# KiCad board EOutside.kicad_pcb (continued)
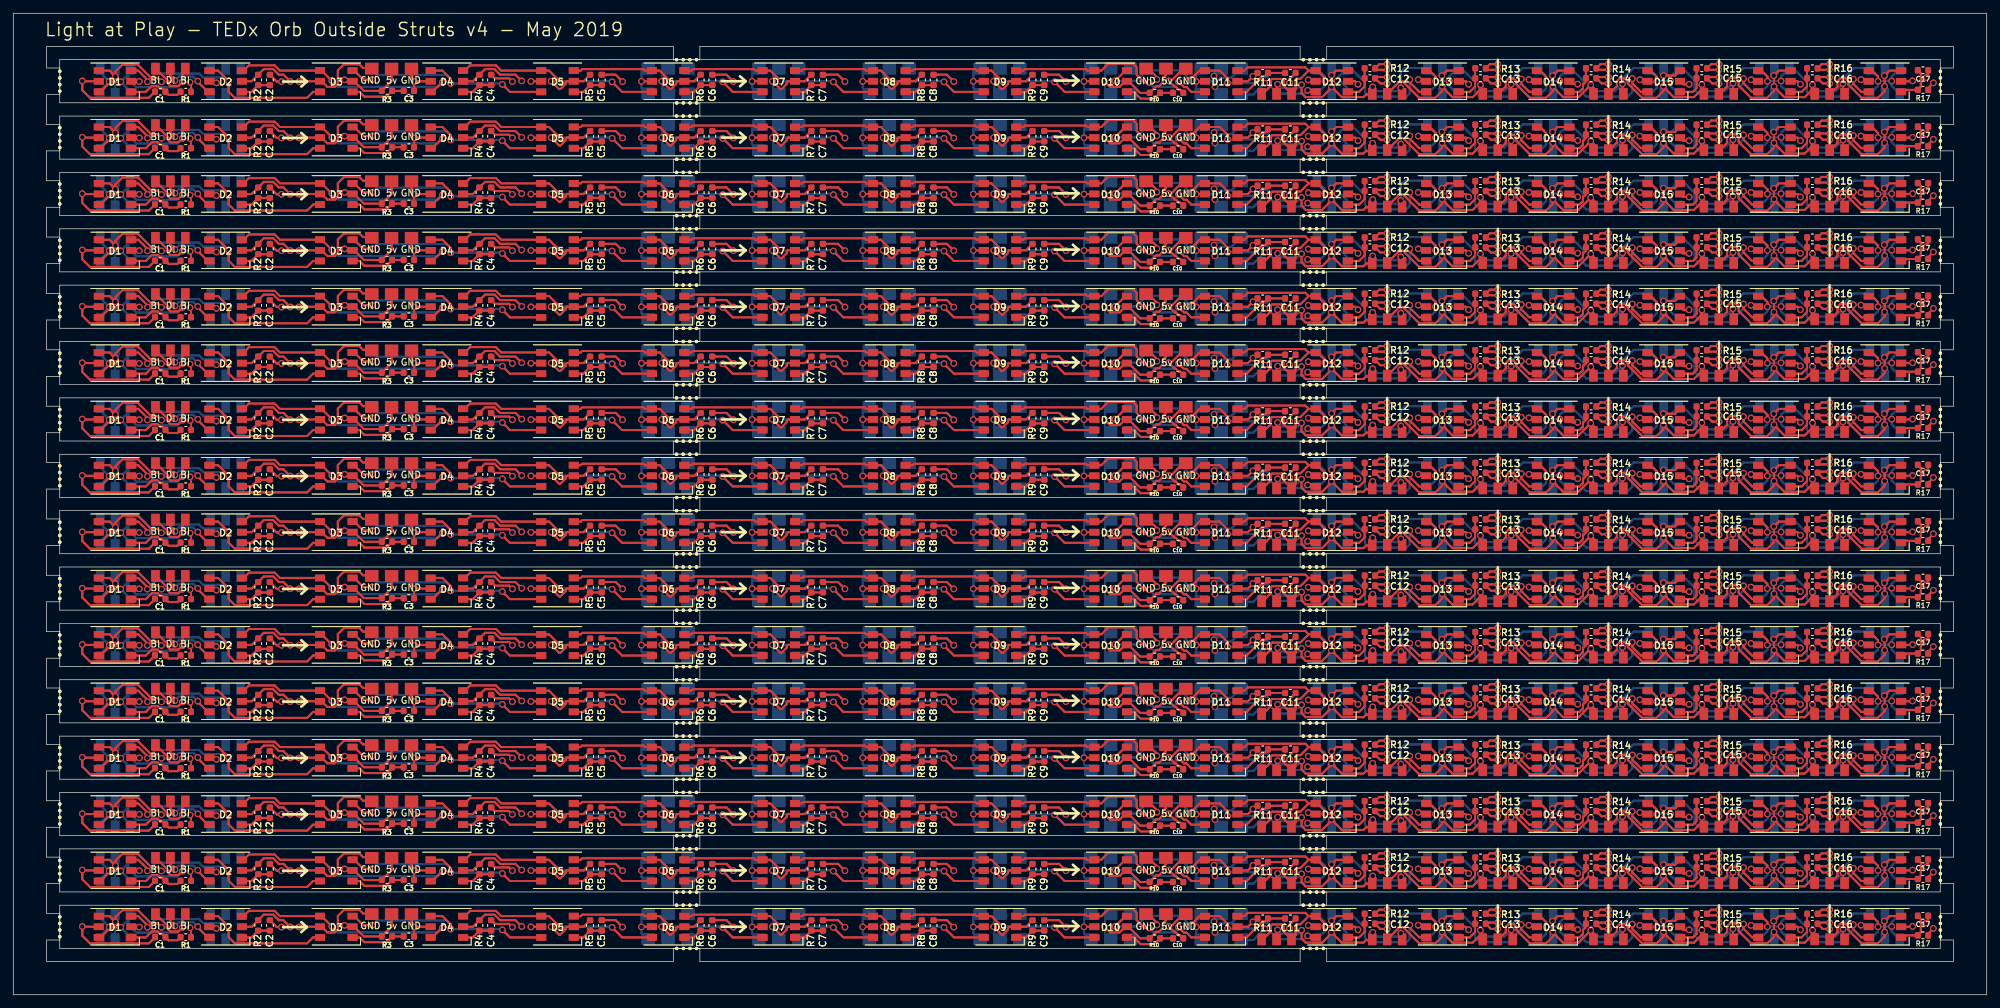
[diagram p0: board, top side]
## Routing (per net, layer and track width the routed paths; a pad name or vN(x,y) marks a point on that pad's centre or on a via; arc(x,y) is an arc through that point) (continued)
Net-(D15-Pad3): length 2295.4
  Top w0.3: 264.29,138.46 263.39,139.35 ; 264.29,138.46 v1(264.29,137.75) 264.29,138.46 ; 264.29,138.46 263.39,139.35 ; 263.39,139.35 D16.4 263.39,139.35 ; 264.29,129.96 263.39,130.85 ; 264.29,129.96 v1(264.29,129.25) 264.29,129.96 ; 264.29,129.96 263.39,130.85 ; 263.39,130.85 D16#2.4 263.39,130.85 ; 250.38,130.12 D15#2.3 250.38,130.12 ; 250.38,130.12 249.33,130.12 ; 250.38,130.12 249.33,130.12 ; v1(248.62,128.47) 248.62,130.11 ; v1(248.62,128.47) 248.62,127.77 ; v1(248.62,128.47) 248.62,130.11 ; v1(248.62,128.47) 248.62,127.77 ; 248.62,130.11 v1(248.62,130.12) ; 248.62,130.11 v1(248.62,130.12) ; 249.33,130.12 v1(248.62,130.12) ; 249.33,130.12 v1(248.62,130.12) ; 250.17,126.85 253.22,126.85 ; 250.17,126.85 248.6,128.42 250.17,126.85 ; 250.17,126.85 253.22,126.85 ; 253.22,126.85 254.41,128.04 ; 253.22,126.85 254.41,128.04 ; 254.41,128.04 v1(254.41,128.75) 254.41,128.04 ; 242.04,129.68 242.79,129.68 ; 242.04,129.68 241.62,129.26 ; 242.04,129.68 242.79,129.68 ; 242.04,129.68 241.62,129.26 ; 242.79,129.68 243.25,129.21 ; 242.79,129.68 243.25,129.21 ; 248.62,127.77 247.6,126.75 ; 248.62,127.77 247.6,126.75 ; 243.25,129.21 243.25,128.92 ; 243.25,129.21 243.25,128.92 ; 243.25,128.92 245.43,126.75 ; 243.25,128.92 245.43,126.75 ; 241.62,128.54 241.62,129.26 ; 241.62,128.54 240.33,127.25 241.62,128.54 ; 241.62,128.54 241.62,129.26 ; 245.43,126.75 247.6,126.75 ; 245.43,126.75 247.6,126.75 ; 259.1,127.4 259.25,127.25 259.1,127.4 ; 259.1,127.4 259.1,128.24 ; 259.1,127.4 259.1,128.24 ; 259.1,128.24 v1(259.1,128.95) 259.1,128.24 ; 278.44,127.65 279.55,127.65 278.44,127.65 ; 278.44,127.65 277.23,128.85 ; 278.44,127.65 277.23,128.85 ; 277.23,128.85 v1(277.23,129.56) 277.23,128.85 ; 264.29,121.46 263.39,122.35 ; 264.29,121.46 v1(264.29,120.75) 264.29,121.46 ; 264.29,121.46 263.39,122.35 ; 263.39,122.35 D16#3.4 263.39,122.35 ; 250.38,121.62 D15#3.3 250.38,121.62 ; 250.38,121.62 249.33,121.62 ; 250.38,121.62 249.33,121.62 ; v1(248.62,119.97) 248.62,121.61 ; v1(248.62,119.97) 248.62,119.27 ; v1(248.62,119.97) 248.62,121.61 ; v1(248.62,119.97) 248.62,119.27 ; 248.62,121.61 v1(248.62,121.62) ; 248.62,121.61 v1(248.62,121.62) ; 249.33,121.62 v1(248.62,121.62) ; 249.33,121.62 v1(248.62,121.62) ; 250.17,118.35 253.22,118.35 ; 250.17,118.35 248.6,119.92 250.17,118.35 ; 250.17,118.35 253.22,118.35 ; 253.22,118.35 254.41,119.54 ; 253.22,118.35 254.41,119.54 ; 254.41,119.54 v1(254.41,120.25) 254.41,119.54 ; 242.04,121.18 242.79,121.18 ; 242.04,121.18 241.62,120.76 ; 242.04,121.18 242.79,121.18 ; 242.04,121.18 241.62,120.76 ; 242.79,121.18 243.25,120.71 ; 242.79,121.18 243.25,120.71 ; 248.62,119.27 247.6,118.25 ; 248.62,119.27 247.6,118.25 ; 243.25,120.71 243.25,120.42 ; 243.25,120.71 243.25,120.42 ; 243.25,120.42 245.43,118.25 ; 243.25,120.42 245.43,118.25 ; 241.62,120.04 241.62,120.76 ; 241.62,120.04 240.33,118.75 241.62,120.04 ; 241.62,120.04 241.62,120.76 ; 245.43,118.25 247.6,118.25 ; 245.43,118.25 247.6,118.25 ; 259.1,118.9 259.25,118.75 259.1,118.9 ; 259.1,118.9 259.1,119.74 ; 259.1,118.9 259.1,119.74 ; 259.1,119.74 v1(259.1,120.45) 259.1,119.74 ; 278.44,119.15 279.55,119.15 278.44,119.15 ; 278.44,119.15 277.23,120.35 ; 278.44,119.15 277.23,120.35 ; 277.23,120.35 v1(277.23,121.06) 277.23,120.35 ; 277.23,111.85 v1(277.23,112.56) 277.23,111.85 ; 277.23,111.85 278.44,110.65 ; 277.23,111.85 278.44,110.65 ; 278.44,110.65 279.55,110.65 278.44,110.65 ; 249.33,113.12 v1(248.62,113.12) ; 249.33,113.12 250.38,113.12 ; 249.33,113.12 v1(248.62,113.12) ; 249.33,113.12 250.38,113.12 ; v1(248.62,113.12) 248.62,113.11 ; v1(248.62,113.12) 248.62,113.11 ; 250.38,113.12 D15#4.3 250.38,113.12 ; v1(248.62,111.47) 248.62,113.11 ; v1(248.62,111.47) 248.62,110.77 ; v1(248.62,111.47) 248.62,113.11 ; v1(248.62,111.47) 248.62,110.77 ; 250.17,109.85 253.22,109.85 ; 250.17,109.85 248.6,111.42 250.17,109.85 ; 250.17,109.85 253.22,109.85 ; 253.22,109.85 254.41,111.04 ; 253.22,109.85 254.41,111.04 ; 254.41,111.04 v1(254.41,111.75) 254.41,111.04 ; 242.04,112.68 242.79,112.68 ; 242.04,112.68 241.62,112.26 ; 242.04,112.68 242.79,112.68 ; 242.04,112.68 241.62,112.26 ; 242.79,112.68 243.25,112.21 ; 242.79,112.68 243.25,112.21 ; 248.62,110.77 247.6,109.75 ; 248.62,110.77 247.6,109.75 ; 243.25,112.21 243.25,111.92 ; 243.25,112.21 243.25,111.92 ; 243.25,111.92 245.43,109.75 ; 243.25,111.92 245.43,109.75 ; 259.1,110.4 259.1,111.24 ; 259.1,110.4 259.25,110.25 259.1,110.4 ; 259.1,110.4 259.1,111.24 ; 259.1,111.24 v1(259.1,111.95) 259.1,111.24 ; 241.62,111.54 240.33,110.25 241.62,111.54 ; 241.62,111.54 241.62,112.26 ; 241.62,111.54 241.62,112.26 ; 245.43,109.75 247.6,109.75 ; 245.43,109.75 247.6,109.75 ; 264.29,112.96 v1(264.29,112.25) 264.29,112.96 ; 264.29,112.96 263.39,113.85 ; 264.29,112.96 263.39,113.85 ; 263.39,113.85 D16#4.4 263.39,113.85 ; 250.38,138.62 D15.3 250.38,138.62 ; 250.38,138.62 249.33,138.62 ; 250.38,138.62 249.33,138.62 ; v1(248.62,136.97) 248.62,138.61 ; v1(248.62,136.97) 248.62,136.27 ; v1(248.62,136.97) 248.62,138.61 ; v1(248.62,136.97) 248.62,136.27 ; 248.62,138.61 v1(248.62,138.62) ; 248.62,138.61 v1(248.62,138.62) ; 249.33,138.62 v1(248.62,138.62) ; 249.33,138.62 v1(248.62,138.62) ; 250.17,135.35 253.22,135.35 ; 250.17,135.35 248.6,136.92 250.17,135.35 ; 250.17,135.35 253.22,135.35 ; 253.22,135.35 254.41,136.54 ; 253.22,135.35 254.41,136.54 ; 254.41,136.54 v1(254.41,137.25) 254.41,136.54 ; 242.04,138.18 242.79,138.18 ; 242.04,138.18 241.62,137.76 ; 242.04,138.18 242.79,138.18 ; 242.04,138.18 241.62,137.76 ; 242.79,138.18 243.25,137.71 ; 242.79,138.18 243.25,137.71 ; 248.62,136.27 247.6,135.25 ; 248.62,136.27 247.6,135.25 ; 243.25,137.71 243.25,137.42 ; 243.25,137.71 243.25,137.42 ; 243.25,137.42 245.43,135.25 ; 243.25,137.42 245.43,135.25 ; 241.62,137.04 241.62,137.76 ; 241.62,137.04 240.33,135.75 241.62,137.04 ; 241.62,137.04 241.62,137.76 ; 245.43,135.25 247.6,135.25 ; 245.43,135.25 247.6,135.25 ; 259.1,135.9 259.25,135.75 259.1,135.9 ; 259.1,135.9 259.1,136.74 ; 259.1,135.9 259.1,136.74 ; 259.1,136.74 v1(259.1,137.45) 259.1,136.74 ; 278.44,136.15 279.55,136.15 278.44,136.15 ; 278.44,136.15 277.23,137.35 ; 278.44,136.15 277.23,137.35 ; 277.23,137.35 v1(277.23,138.06) 277.23,137.35 ; 264.29,104.46 263.39,105.35 ; 264.29,104.46 v1(264.29,103.75) 264.29,104.46 ; 264.29,104.46 263.39,105.35 ; 263.39,105.35 D16#11.4 263.39,105.35 ; 250.38,104.62 D15#12.3 250.38,104.62 ; 250.38,104.62 249.33,104.62 ; 250.38,104.62 249.33,104.62 ; v1(248.62,102.97) 248.62,104.61 ; v1(248.62,102.97) 248.62,102.27 ; v1(248.62,102.97) 248.62,104.61 ; v1(248.62,102.97) 248.62,102.27 ; 248.62,104.61 v1(248.62,104.62) ; 248.62,104.61 v1(248.62,104.62) ; 249.33,104.62 v1(248.62,104.62) ; 249.33,104.62 v1(248.62,104.62) ; 250.17,101.35 253.22,101.35 ; 250.17,101.35 248.6,102.92 250.17,101.35 ; 250.17,101.35 253.22,101.35 ; 253.22,101.35 254.41,102.54 ; 253.22,101.35 254.41,102.54 ; 254.41,102.54 v1(254.41,103.25) 254.41,102.54 ; 242.04,104.18 242.79,104.18 ; 242.04,104.18 241.62,103.76 ; 242.04,104.18 242.79,104.18 ; 242.04,104.18 241.62,103.76 ; 242.79,104.18 243.25,103.71 ; 242.79,104.18 243.25,103.71 ; 248.62,102.27 247.6,101.25 ; 248.62,102.27 247.6,101.25 ; 243.25,103.71 243.25,103.42 ; 243.25,103.71 243.25,103.42 ; 243.25,103.42 245.43,101.25 ; 243.25,103.42 245.43,101.25 ; 241.62,103.04 241.62,103.76 ; 241.62,103.04 240.33,101.75 241.62,103.04 ; 241.62,103.04 241.62,103.76 ; 245.43,101.25 247.6,101.25 ; 245.43,101.25 247.6,101.25 ; 259.1,101.9 259.25,101.75 259.1,101.9 ; 259.1,101.9 259.1,102.74 ; 259.1,101.9 259.1,102.74 ; 259.1,102.74 v1(259.1,103.45) 259.1,102.74 ; 278.44,102.15 279.55,102.15 278.44,102.15 ; 278.44,102.15 277.23,103.35 ; 278.44,102.15 277.23,103.35 ; 277.23,103.35 v1(277.23,104.06) 277.23,103.35 ; 277.23,94.85 v1(277.23,95.56) 277.23,94.85 ; 277.23,94.85 278.44,93.65 ; 277.23,94.85 278.44,93.65 ; 278.44,93.65 279.55,93.65 278.44,93.65 ; 249.33,96.12 v1(248.62,96.12) ; 249.33,96.12 250.38,96.12 ; 249.33,96.12 250.38,96.12 ; 249.33,96.12 v1(248.62,96.12) ; v1(248.62,96.12) 248.62,96.11 ; v1(248.62,96.12) 248.62,96.11 ; 250.38,96.12 D15#14.3 250.38,96.12 ; v1(248.62,94.47) 248.62,96.11 ; v1(248.62,94.47) 248.62,93.77 ; v1(248.62,94.47) 248.62,93.77 ; v1(248.62,94.47) 248.62,96.11 ; 250.17,92.85 253.22,92.85 ; 250.17,92.85 248.6,94.42 250.17,92.85 ; 250.17,92.85 253.22,92.85 ; 253.22,92.85 254.41,94.04 ; 253.22,92.85 254.41,94.04 ; 254.41,94.04 v1(254.41,94.75) 254.41,94.04 ; 242.04,95.68 242.79,95.68 ; 242.04,95.68 241.62,95.26 ; 242.04,95.68 242.79,95.68 ; 242.04,95.68 241.62,95.26 ; 242.79,95.68 243.25,95.21 ; 242.79,95.68 243.25,95.21 ; 248.62,93.77 247.6,92.75 ; 248.62,93.77 247.6,92.75 ; 243.25,95.21 243.25,94.92 ; 243.25,95.21 243.25,94.92 ; 243.25,94.92 245.43,92.75 ; 243.25,94.92 245.43,92.75 ; 259.1,93.4 259.1,94.24 ; 259.1,93.4 259.25,93.25 259.1,93.4 ; 259.1,93.4 259.1,94.24 ; 259.1,94.24 v1(259.1,94.95) 259.1,94.24 ; 241.62,94.54 240.33,93.25 241.62,94.54 ; 241.62,94.54 241.62,95.26 ; 241.62,94.54 241.62,95.26 ; 245.43,92.75 247.6,92.75 ; 245.43,92.75 247.6,92.75 ; 264.29,95.96 v1(264.29,95.25) 264.29,95.96 ; 264.29,95.96 263.39,96.85 ; 264.29,95.96 263.39,96.85 ; 263.39,96.85 D16#13.4 263.39,96.85 ; 249.33,79.12 v1(248.62,79.12) ; 249.33,79.12 250.38,79.12 ; 249.33,79.12 v1(248.62,79.12) ; 249.33,79.12 250.38,79.12 ; v1(248.62,79.12) 248.62,79.11 ; v1(248.62,79.12) 248.62,79.11 ; 250.38,79.12 D15#11.3 250.38,79.12 ; v1(248.62,77.47) 248.62,79.11 ; v1(248.62,77.47) 248.62,76.77 ; v1(248.62,77.47) 248.62,79.11 ; v1(248.62,77.47) 248.62,76.77 ; 250.17,75.85 253.22,75.85 ; 250.17,75.85 248.6,77.42 250.17,75.85 ; 250.17,75.85 253.22,75.85 ; 253.22,75.85 254.41,77.04 ; 253.22,75.85 254.41,77.04 ; 254.41,77.04 v1(254.41,77.75) 254.41,77.04 ; 242.04,78.68 242.79,78.68 ; 242.04,78.68 241.62,78.26 ; 242.04,78.68 242.79,78.68 ; 242.04,78.68 241.62,78.26 ; 242.79,78.68 243.25,78.21 ; 242.79,78.68 243.25,78.21 ; 248.62,76.77 247.6,75.75 ; 248.62,76.77 247.6,75.75 ; 243.25,78.21 243.25,77.92 ; 243.25,78.21 243.25,77.92 ; 243.25,77.92 245.43,75.75 ; 243.25,77.92 245.43,75.75 ; 259.1,76.4 259.1,77.24 ; 259.1,76.4 259.25,76.25 259.1,76.4 ; 259.1,76.4 259.1,77.24 ; 259.1,77.24 v1(259.1,77.95) 259.1,77.24 ; 241.62,77.54 240.33,76.25 241.62,77.54 ; 241.62,77.54 241.62,78.26 ; 241.62,77.54 241.62,78.26 ; 245.43,75.75 247.6,75.75 ; 245.43,75.75 247.6,75.75 ; 264.29,78.96 v1(264.29,78.25) 264.29,78.96 ; 264.29,78.96 263.39,79.85 ; 264.29,78.96 263.39,79.85 ; 263.39,79.85 D16#10.4 263.39,79.85 ; 278.44,76.65 279.55,76.65 278.44,76.65 ; 278.44,76.65 277.23,77.85 ; 278.44,76.65 277.23,77.85 ; 277.23,77.85 v1(277.23,78.56) 277.23,77.85 ; 278.44,85.15 279.55,85.15 278.44,85.15 ; 278.44,85.15 277.23,86.35 ; 278.44,85.15 277.23,86.35 ; 277.23,86.35 v1(277.23,87.06) 277.23,86.35 ; 264.29,87.46 263.39,88.35 ; 264.29,87.46 v1(264.29,86.75) 264.29,87.46 ; 264.29,87.46 263.39,88.35 ; 263.39,88.35 D16#9.4 263.39,88.35 ; 250.38,87.62 D15#9.3 250.38,87.62 ; 250.38,87.62 249.33,87.62 ; 250.38,87.62 249.33,87.62 ; v1(248.62,85.97) 248.62,87.61 ; v1(248.62,85.97) 248.62,85.27 ; v1(248.62,85.97) 248.62,85.27 ; v1(248.62,85.97) 248.62,87.61 ; 248.62,87.61 v1(248.62,87.62) ; 248.62,87.61 v1(248.62,87.62) ; 249.33,87.62 v1(248.62,87.62) ; 249.33,87.62 v1(248.62,87.62) ; 250.17,84.35 253.22,84.35 ; 250.17,84.35 248.6,85.92 250.17,84.35 ; 250.17,84.35 253.22,84.35 ; 253.22,84.35 254.41,85.54 ; 253.22,84.35 254.41,85.54 ; 254.41,85.54 v1(254.41,86.25) 254.41,85.54 ; 242.04,87.18 242.79,87.18 ; 242.04,87.18 241.62,86.76 ; 242.04,87.18 241.62,86.76 ; 242.04,87.18 242.79,87.18 ; 242.79,87.18 243.25,86.71 ; 242.79,87.18 243.25,86.71 ; 248.62,85.27 247.6,84.25 ; 248.62,85.27 247.6,84.25 ; 243.25,86.71 243.25,86.42 ; 243.25,86.71 243.25,86.42 ; 243.25,86.42 245.43,84.25 ; 243.25,86.42 245.43,84.25 ; 241.62,86.04 241.62,86.76 ; 241.62,86.04 240.33,84.75 241.62,86.04 ; 241.62,86.04 241.62,86.76 ; 245.43,84.25 247.6,84.25 ; 245.43,84.25 247.6,84.25 ; 259.1,84.9 259.25,84.75 259.1,84.9 ; 259.1,84.9 259.1,85.74 ; 259.1,84.9 259.1,85.74 ; 259.1,85.74 v1(259.1,86.45) 259.1,85.74 ; 264.29,53.46 263.39,54.35 ; 264.29,53.46 263.39,54.35 ; 264.29,53.46 v1(264.29,52.75) 264.29,53.46 ; 263.39,54.35 D16#20.4 263.39,54.35 ; 264.29,70.46 263.39,71.35 ; 264.29,70.46 v1(264.29,69.75) 264.29,70.46 ; 264.29,70.46 263.39,71.35 ; 263.39,71.35 D16#21.4 263.39,71.35 ; 250.38,70.62 D15#19.3 250.38,70.62 ; 250.38,70.62 249.33,70.62 ; 250.38,70.62 249.33,70.62 ; v1(248.62,68.97) 248.62,70.61 ; v1(248.62,68.97) 248.62,68.27 ; v1(248.62,68.97) 248.62,70.61 ; v1(248.62,68.97) 248.62,68.27 ; 248.62,70.61 v1(248.62,70.62) ; 248.62,70.61 v1(248.62,70.62) ; 249.33,70.62 v1(248.62,70.62) ; 249.33,70.62 v1(248.62,70.62) ; 250.17,67.35 253.22,67.35 ; 250.17,67.35 248.6,68.92 250.17,67.35 ; 250.17,67.35 253.22,67.35 ; 253.22,67.35 254.41,68.54 ; 253.22,67.35 254.41,68.54 ; 254.41,68.54 v1(254.41,69.25) 254.41,68.54 ; 242.04,70.18 242.79,70.18 ; 242.04,70.18 241.62,69.76 ; 242.04,70.18 242.79,70.18 ; 242.04,70.18 241.62,69.76 ; 242.79,70.18 243.25,69.71 ; 242.79,70.18 243.25,69.71 ; 248.62,68.27 247.6,67.25 ; 248.62,68.27 247.6,67.25 ; 243.25,69.71 243.25,69.42 ; 243.25,69.71 243.25,69.42 ; 243.25,69.42 245.43,67.25 ; 243.25,69.42 245.43,67.25 ; 241.62,69.04 241.62,69.76 ; 241.62,69.04 240.33,67.75 241.62,69.04 ; 241.62,69.04 241.62,69.76 ; 245.43,67.25 247.6,67.25 ; 245.43,67.25 247.6,67.25 ; 259.1,67.9 259.25,67.75 259.1,67.9 ; 259.1,67.9 259.1,68.74 ; 259.1,67.9 259.1,68.74 ; 259.1,68.74 v1(259.1,69.45) 259.1,68.74 ; 278.44,68.15 279.55,68.15 278.44,68.15 ; 278.44,68.15 277.23,69.35 ; 278.44,68.15 277.23,69.35 ; 277.23,69.35 v1(277.23,70.06) 277.23,69.35 ; 277.23,60.85 v1(277.23,61.56) 277.23,60.85 ; 277.23,60.85 278.44,59.65 ; 277.23,60.85 278.44,59.65 ; 278.44,59.65 279.55,59.65 278.44,59.65 ; 249.33,62.12 v1(248.62,62.12) ; 249.33,62.12 250.38,62.12 ; 249.33,62.12 250.38,62.12 ; 249.33,62.12 v1(248.62,62.12) ; v1(248.62,62.12) 248.62,62.11 ; v1(248.62,62.12) 248.62,62.11 ; 250.38,62.12 D15#20.3 250.38,62.12 ; v1(248.62,60.47) 248.62,62.11 ; v1(248.62,60.47) 248.62,59.77 ; v1(248.62,60.47) 248.62,59.77 ; v1(248.62,60.47) 248.62,62.11 ; 250.17,58.85 253.22,58.85 ; 250.17,58.85 248.6,60.42 250.17,58.85 ; 250.17,58.85 253.22,58.85 ; 253.22,58.85 254.41,60.04 ; 253.22,58.85 254.41,60.04 ; 254.41,60.04 v1(254.41,60.75) 254.41,60.04 ; 242.04,61.68 242.79,61.68 ; 242.04,61.68 241.62,61.26 ; 242.04,61.68 242.79,61.68 ; 242.04,61.68 241.62,61.26 ; 242.79,61.68 243.25,61.21 ; 242.79,61.68 243.25,61.21 ; 248.62,59.77 247.6,58.75 ; 248.62,59.77 247.6,58.75 ; 243.25,61.21 243.25,60.92 ; 243.25,61.21 243.25,60.92 ; 243.25,60.92 245.43,58.75 ; 243.25,60.92 245.43,58.75 ; 259.1,59.4 259.1,60.24 ; 259.1,59.4 259.25,59.25 259.1,59.4 ; 259.1,59.4 259.1,60.24 ; 259.1,60.24 v1(259.1,60.95) 259.1,60.24 ; 241.62,60.54 240.33,59.25 241.62,60.54 ; 241.62,60.54 241.62,61.26 ; 241.62,60.54 241.62,61.26 ; 245.43,58.75 247.6,58.75 ; 245.43,58.75 247.6,58.75 ; 264.29,61.96 v1(264.29,61.25) 264.29,61.96 ; 264.29,61.96 263.39,62.85 ; 264.29,61.96 263.39,62.85 ; 263.39,62.85 D16#17.4 263.39,62.85 ; 278.44,42.65 279.55,42.65 278.44,42.65 ; 278.44,42.65 277.23,43.85 ; 278.44,42.65 277.23,43.85 ; 277.23,43.85 v1(277.23,44.56) 277.23,43.85 ; 241.62,43.54 240.33,42.25 241.62,43.54 ; 241.62,43.54 241.62,44.26 ; 241.62,43.54 241.62,44.26 ; 241.62,44.26 242.04,44.68 ; 241.62,44.26 242.04,44.68 ; 242.04,44.68 242.79,44.68 ; 242.04,44.68 242.79,44.68 ; 242.79,44.68 243.25,44.21 ; 242.79,44.68 243.25,44.21 ; 243.25,44.21 243.25,43.92 ; 243.25,44.21 243.25,43.92 ; 243.25,43.92 245.43,41.75 ; 243.25,43.92 245.43,41.75 ; 245.43,41.75 247.6,41.75 ; 245.43,41.75 247.6,41.75 ; 247.6,41.75 248.62,42.77 ; 247.6,41.75 248.62,42.77 ; 248.62,42.77 v1(248.62,43.47) ; 248.62,42.77 v1(248.62,43.47) ; 264.29,44.96 v1(264.29,44.25) 264.29,44.96 ; 264.29,44.96 263.39,45.85 ; 264.29,44.96 263.39,45.85 ; 263.39,45.85 D16#18.4 263.39,45.85 ; 249.33,45.12 v1(248.62,45.12) ; 249.33,45.12 250.38,45.12 ; 249.33,45.12 v1(248.62,45.12) ; 249.33,45.12 250.38,45.12 ; v1(248.62,45.12) 248.62,45.11 ; v1(248.62,45.12) 248.62,45.11 ; 250.38,45.12 D15#18.3 250.38,45.12 ; v1(248.62,43.47) 248.62,45.11 ; v1(248.62,43.47) 248.62,45.11 ; 250.17,41.85 253.22,41.85 ; 250.17,41.85 248.6,43.42 250.17,41.85 ; 250.17,41.85 253.22,41.85 ; 253.22,41.85 254.41,43.04 ; 253.22,41.85 254.41,43.04 ; 254.41,43.04 v1(254.41,43.75) 254.41,43.04 ; 259.1,42.4 259.1,43.24 ; 259.1,42.4 259.25,42.25 259.1,42.4 ; 259.1,42.4 259.1,43.24 ; 259.1,43.24 v1(259.1,43.95) 259.1,43.24 ; 278.44,51.15 279.55,51.15 278.44,51.15 ; 278.44,51.15 277.23,52.35 ; 278.44,51.15 277.23,52.35 ; 277.23,52.35 v1(277.23,53.06) 277.23,52.35 ; 250.38,53.62 D15#17.3 250.38,53.62 ; 250.38,53.62 249.33,53.62 ; 250.38,53.62 249.33,53.62 ; v1(248.62,51.97) 248.62,53.61 ; v1(248.62,51.97) 248.62,51.27 ; v1(248.62,51.97) 248.62,51.27 ; v1(248.62,51.97) 248.62,53.61 ; 248.62,53.61 v1(248.62,53.62) ; 248.62,53.61 v1(248.62,53.62) ; 249.33,53.62 v1(248.62,53.62) ; 249.33,53.62 v1(248.62,53.62) ; 250.17,50.35 253.22,50.35 ; 250.17,50.35 248.6,51.92 250.17,50.35 ; 250.17,50.35 253.22,50.35 ; 253.22,50.35 254.41,51.54 ; 253.22,50.35 254.41,51.54 ; 254.41,51.54 v1(254.41,52.25) 254.41,51.54 ; 242.04,53.18 242.79,53.18 ; 242.04,53.18 241.62,52.76 ; 242.04,53.18 241.62,52.76 ; 242.04,53.18 242.79,53.18 ; 242.79,53.18 243.25,52.71 ; 242.79,53.18 243.25,52.71 ; 248.62,51.27 247.6,50.25 ; 248.62,51.27 247.6,50.25 ; 243.25,52.71 243.25,52.42 ; 243.25,52.71 243.25,52.42 ; 243.25,52.42 245.43,50.25 ; 243.25,52.42 245.43,50.25 ; 241.62,52.04 241.62,52.76 ; 241.62,52.04 240.33,50.75 241.62,52.04 ; 241.62,52.04 241.62,52.76 ; 245.43,50.25 247.6,50.25 ; 245.43,50.25 247.6,50.25 ; 259.1,50.9 259.25,50.75 259.1,50.9 ; 259.1,50.9 259.1,51.74 ; 259.1,50.9 259.1,51.74 ; 259.1,51.74 v1(259.1,52.45) 259.1,51.74 ; 278.44,17.15 277.23,18.35 ; 278.44,17.15 279.55,17.15 278.44,17.15 ; 278.44,17.15 277.23,18.35 ; 277.23,18.35 v1(277.23,19.06) 277.23,18.35 ; 263.39,37.35 D16#27.4 263.39,37.35 ; 263.39,37.35 264.29,36.46 ; 263.39,37.35 264.29,36.46 ; 264.29,36.46 v1(264.29,35.75) 264.29,36.46 ; 250.38,36.62 D15#29.3 250.38,36.62 ; 250.38,36.62 249.33,36.62 ; 250.38,36.62 249.33,36.62 ; v1(248.62,34.97) 248.62,36.61 ; v1(248.62,34.97) 248.62,34.27 ; v1(248.62,34.97) 248.62,36.61 ; v1(248.62,34.97) 248.62,34.27 ; 248.62,36.61 v1(248.62,36.62) ; 248.62,36.61 v1(248.62,36.62) ; 249.33,36.62 v1(248.62,36.62) ; 249.33,36.62 v1(248.62,36.62) ; 250.17,33.35 253.22,33.35 ; 250.17,33.35 248.6,34.92 250.17,33.35 ; 250.17,33.35 253.22,33.35 ; 253.22,33.35 254.41,34.54 ; 253.22,33.35 254.41,34.54 ; 254.41,34.54 v1(254.41,35.25) 254.41,34.54 ; 242.04,36.18 242.79,36.18 ; 242.04,36.18 241.62,35.76 ; 242.04,36.18 242.79,36.18 ; 242.04,36.18 241.62,35.76 ; 242.79,36.18 243.25,35.71 ; 242.79,36.18 243.25,35.71 ; 248.62,34.27 247.6,33.25 ; 248.62,34.27 247.6,33.25 ; 243.25,35.71 243.25,35.42 ; 243.25,35.71 243.25,35.42 ; 243.25,35.42 245.43,33.25 ; 243.25,35.42 245.43,33.25 ; 241.62,35.04 241.62,35.76 ; 241.62,35.04 240.33,33.75 241.62,35.04 ; 241.62,35.04 241.62,35.76 ; 245.43,33.25 247.6,33.25 ; 245.43,33.25 247.6,33.25 ; 259.1,33.9 259.25,33.75 259.1,33.9 ; 259.1,33.9 259.1,34.74 ; 259.1,33.9 259.1,34.74 ; 259.1,34.74 v1(259.1,35.45) 259.1,34.74 ; 278.44,34.15 279.55,34.15 278.44,34.15 ; 278.44,34.15 277.23,35.35 ; 278.44,34.15 277.23,35.35 ; 277.23,35.35 v1(277.23,36.06) 277.23,35.35 ; 249.33,11.12 v1(248.62,11.12) ; 249.33,11.12 250.38,11.12 ; 249.33,11.12 v1(248.62,11.12) ; 249.33,11.12 250.38,11.12 ; v1(248.62,11.12) 248.62,11.11 ; v1(248.62,11.12) 248.62,11.11 ; 250.38,11.12 D15#26.3 250.38,11.12 ; v1(248.62,9.47) 248.62,11.11 ; v1(248.62,9.47) 248.62,8.77 ; v1(248.62,9.47) 248.62,11.11 ; v1(248.62,9.47) 248.62,8.77 ; 250.17,7.85 253.22,7.85 ; 250.17,7.85 248.6,9.42 250.17,7.85 ; 250.17,7.85 253.22,7.85 ; 253.22,7.85 254.41,9.04 ; 253.22,7.85 254.41,9.04 ; 254.41,9.04 v1(254.41,9.75) 254.41,9.04 ; 242.04,10.68 242.79,10.68 ; 242.04,10.68 242.79,10.68 ; 242.04,10.68 241.62,10.26 ; 242.04,10.68 241.62,10.26 ; 242.79,10.68 243.25,10.21 ; 242.79,10.68 243.25,10.21 ; 248.62,8.77 247.6,7.75 ; 248.62,8.77 247.6,7.75 ; 243.25,10.21 243.25,9.92 ; 243.25,10.21 243.25,9.92 ; 243.25,9.92 245.43,7.75 ; 243.25,9.92 245.43,7.75 ; 259.1,8.4 259.1,9.24 ; 259.1,8.4 259.25,8.25 259.1,8.4 ; 259.1,8.4 259.1,9.24 ; 259.1,9.24 v1(259.1,9.95) 259.1,9.24 ; 264.29,19.46 263.39,20.35 ; 264.29,19.46 263.39,20.35 ; 264.29,19.46 v1(264.29,18.75) 264.29,19.46 ; 263.39,20.35 D16#28.4 263.39,20.35 ; 250.38,19.62 D15#28.3 250.38,19.62 ; 250.38,19.62 249.33,19.62 ; 250.38,19.62 249.33,19.62 ; v1(248.62,17.97) 248.62,19.61 ; v1(248.62,17.97) 248.62,17.27 ; v1(248.62,17.97) 248.62,17.27 ; v1(248.62,17.97) 248.62,19.61 ; 248.62,19.61 v1(248.62,19.62) ; 248.62,19.61 v1(248.62,19.62) ; 249.33,19.62 v1(248.62,19.62) ; 249.33,19.62 v1(248.62,19.62) ; 250.17,16.35 253.22,16.35 ; 250.17,16.35 248.6,17.92 250.17,16.35 ; 250.17,16.35 253.22,16.35 ; 253.22,16.35 254.41,17.54 ; 253.22,16.35 254.41,17.54 ; 254.41,17.54 v1(254.41,18.25) 254.41,17.54 ; 242.04,19.18 242.79,19.18 ; 242.04,19.18 241.62,18.76 ; 242.04,19.18 241.62,18.76 ; 242.04,19.18 242.79,19.18 ; 242.79,19.18 243.25,18.71 ; 242.79,19.18 243.25,18.71 ; 248.62,17.27 247.6,16.25 ; 248.62,17.27 247.6,16.25 ; 243.25,18.71 243.25,18.42 ; 243.25,18.71 243.25,18.42 ; 243.25,18.42 245.43,16.25 ; 243.25,18.42 245.43,16.25 ; 241.62,18.04 241.62,18.76 ; 241.62,18.04 240.33,16.75 241.62,18.04 ; 241.62,18.04 241.62,18.76 ; 245.43,16.25 247.6,16.25 ; 245.43,16.25 247.6,16.25 ; 259.1,16.9 259.25,16.75 259.1,16.9 ; 259.1,16.9 259.1,17.74 ; 259.1,16.9 259.1,17.74 ; 259.1,17.74 v1(259.1,18.45) 259.1,17.74 ; 264.29,10.96 263.39,11.85 ; 264.29,10.96 v1(264.29,10.25) 264.29,10.96 ; 264.29,10.96 263.39,11.85 ; 263.39,11.85 D16#26.4 263.39,11.85 ; 277.23,9.85 v1(277.23,10.56) 277.23,9.85 ; 277.23,9.85 278.44,8.65 ; 277.23,9.85 278.44,8.65 ; 278.44,8.65 279.55,8.65 278.44,8.65 ; 241.62,9.54 240.33,8.25 241.62,9.54 ; 241.62,9.54 241.62,10.26 ; 241.62,9.54 241.62,10.26 ; 245.43,7.75 247.6,7.75 ; 245.43,7.75 247.6,7.75 ; 277.23,26.85 v1(277.23,27.56) 277.23,26.85 ; 277.23,26.85 278.44,25.65 ; 277.23,26.85 278.44,25.65 ; 278.44,25.65 279.55,25.65 278.44,25.65 ; 249.33,28.12 v1(248.62,28.12) ; 249.33,28.12 250.38,28.12 ; 249.33,28.12 v1(248.62,28.12) ; 249.33,28.12 250.38,28.12 ; v1(248.62,28.12) 248.62,28.11 ; v1(248.62,28.12) 248.62,28.11 ; 250.38,28.12 D15#25.3 250.38,28.12 ; v1(248.62,26.47) 248.62,28.11 ; v1(248.62,26.47) 248.62,25.77 ; v1(248.62,26.47) 248.62,28.11 ; v1(248.62,26.47) 248.62,25.77 ; 259.1,25.4 259.25,25.25 259.1,25.4 ; 259.1,25.4 259.1,26.24 ; 259.1,25.4 259.1,26.24 ; 241.62,26.54 240.33,25.25 241.62,26.54 ; 241.62,26.54 241.62,27.26 ; 241.62,26.54 241.62,27.26 ; 241.62,27.26 242.04,27.68 ; 241.62,27.26 242.04,27.68 ; 242.04,27.68 242.79,27.68 ; 242.04,27.68 242.79,27.68 ; 242.79,27.68 243.25,27.21 ; 242.79,27.68 243.25,27.21 ; 243.25,27.21 243.25,26.92 ; 243.25,27.21 243.25,26.92 ; 243.25,26.92 245.43,24.75 ; 243.25,26.92 245.43,24.75 ; 245.43,24.75 247.6,24.75 ; 245.43,24.75 247.6,24.75 ; 247.6,24.75 248.62,25.77 ; 247.6,24.75 248.62,25.77 ; 264.29,27.96 v1(264.29,27.25) 264.29,27.96 ; 264.29,27.96 263.39,28.85 ; 264.29,27.96 263.39,28.85 ; 263.39,28.85 D16#25.4 263.39,28.85 ; 250.17,24.85 253.22,24.85 ; 250.17,24.85 248.6,26.42 250.17,24.85 ; 250.17,24.85 253.22,24.85 ; 253.22,24.85 254.41,26.04 ; 253.22,24.85 254.41,26.04 ; 254.41,26.04 v1(254.41,26.75) 254.41,26.04 ; 259.1,26.24 v1(259.1,26.95) 259.1,26.24 ; 263.13,139.35 263.13,139.26 263.13,139.35 ; 263.13,130.85 263.13,130.76 263.13,130.85 ; 263.13,122.35 263.13,122.26 263.13,122.35 ; 263.13,113.85 263.13,113.76 263.13,113.85 ; 263.13,105.35 263.13,105.26 263.13,105.35 ; 263.13,96.85 263.13,96.76 263.13,96.85 ; 263.13,79.85 263.13,79.76 263.13,79.85 ; 263.13,88.35 263.13,88.26 263.13,88.35 ; 263.13,71.35 263.13,71.26 263.13,71.35 ; 263.13,62.85 263.13,62.76 263.13,62.85 ; 263.13,45.85 263.13,45.76 263.13,45.85 ; 263.13,54.35 263.13,54.26 263.13,54.35 ; 263.13,37.35 263.13,37.26 263.13,37.35 ; 263.13,20.35 263.13,20.26 263.13,20.35 ; 263.13,11.85 263.13,11.76 263.13,11.85 ; 263.13,28.85 263.13,28.76 263.13,28.85